# Altium PCB Mag256_9mm.PcbDoc (part 6 of 6)
Units mm, origin at the board's own origin, x right, y up, seen from the top; angles counter-clockwise.
Board outline 174.75 x 142 mm, 6 copper layers (L1 (SIG), L2 (GND), L3 (SIG), L4 (GND), L5 (PWR), L6 (SIG)), stack 1.597 mm thick; 756 components, 438 nets, 2517 pads, 2145 vias.
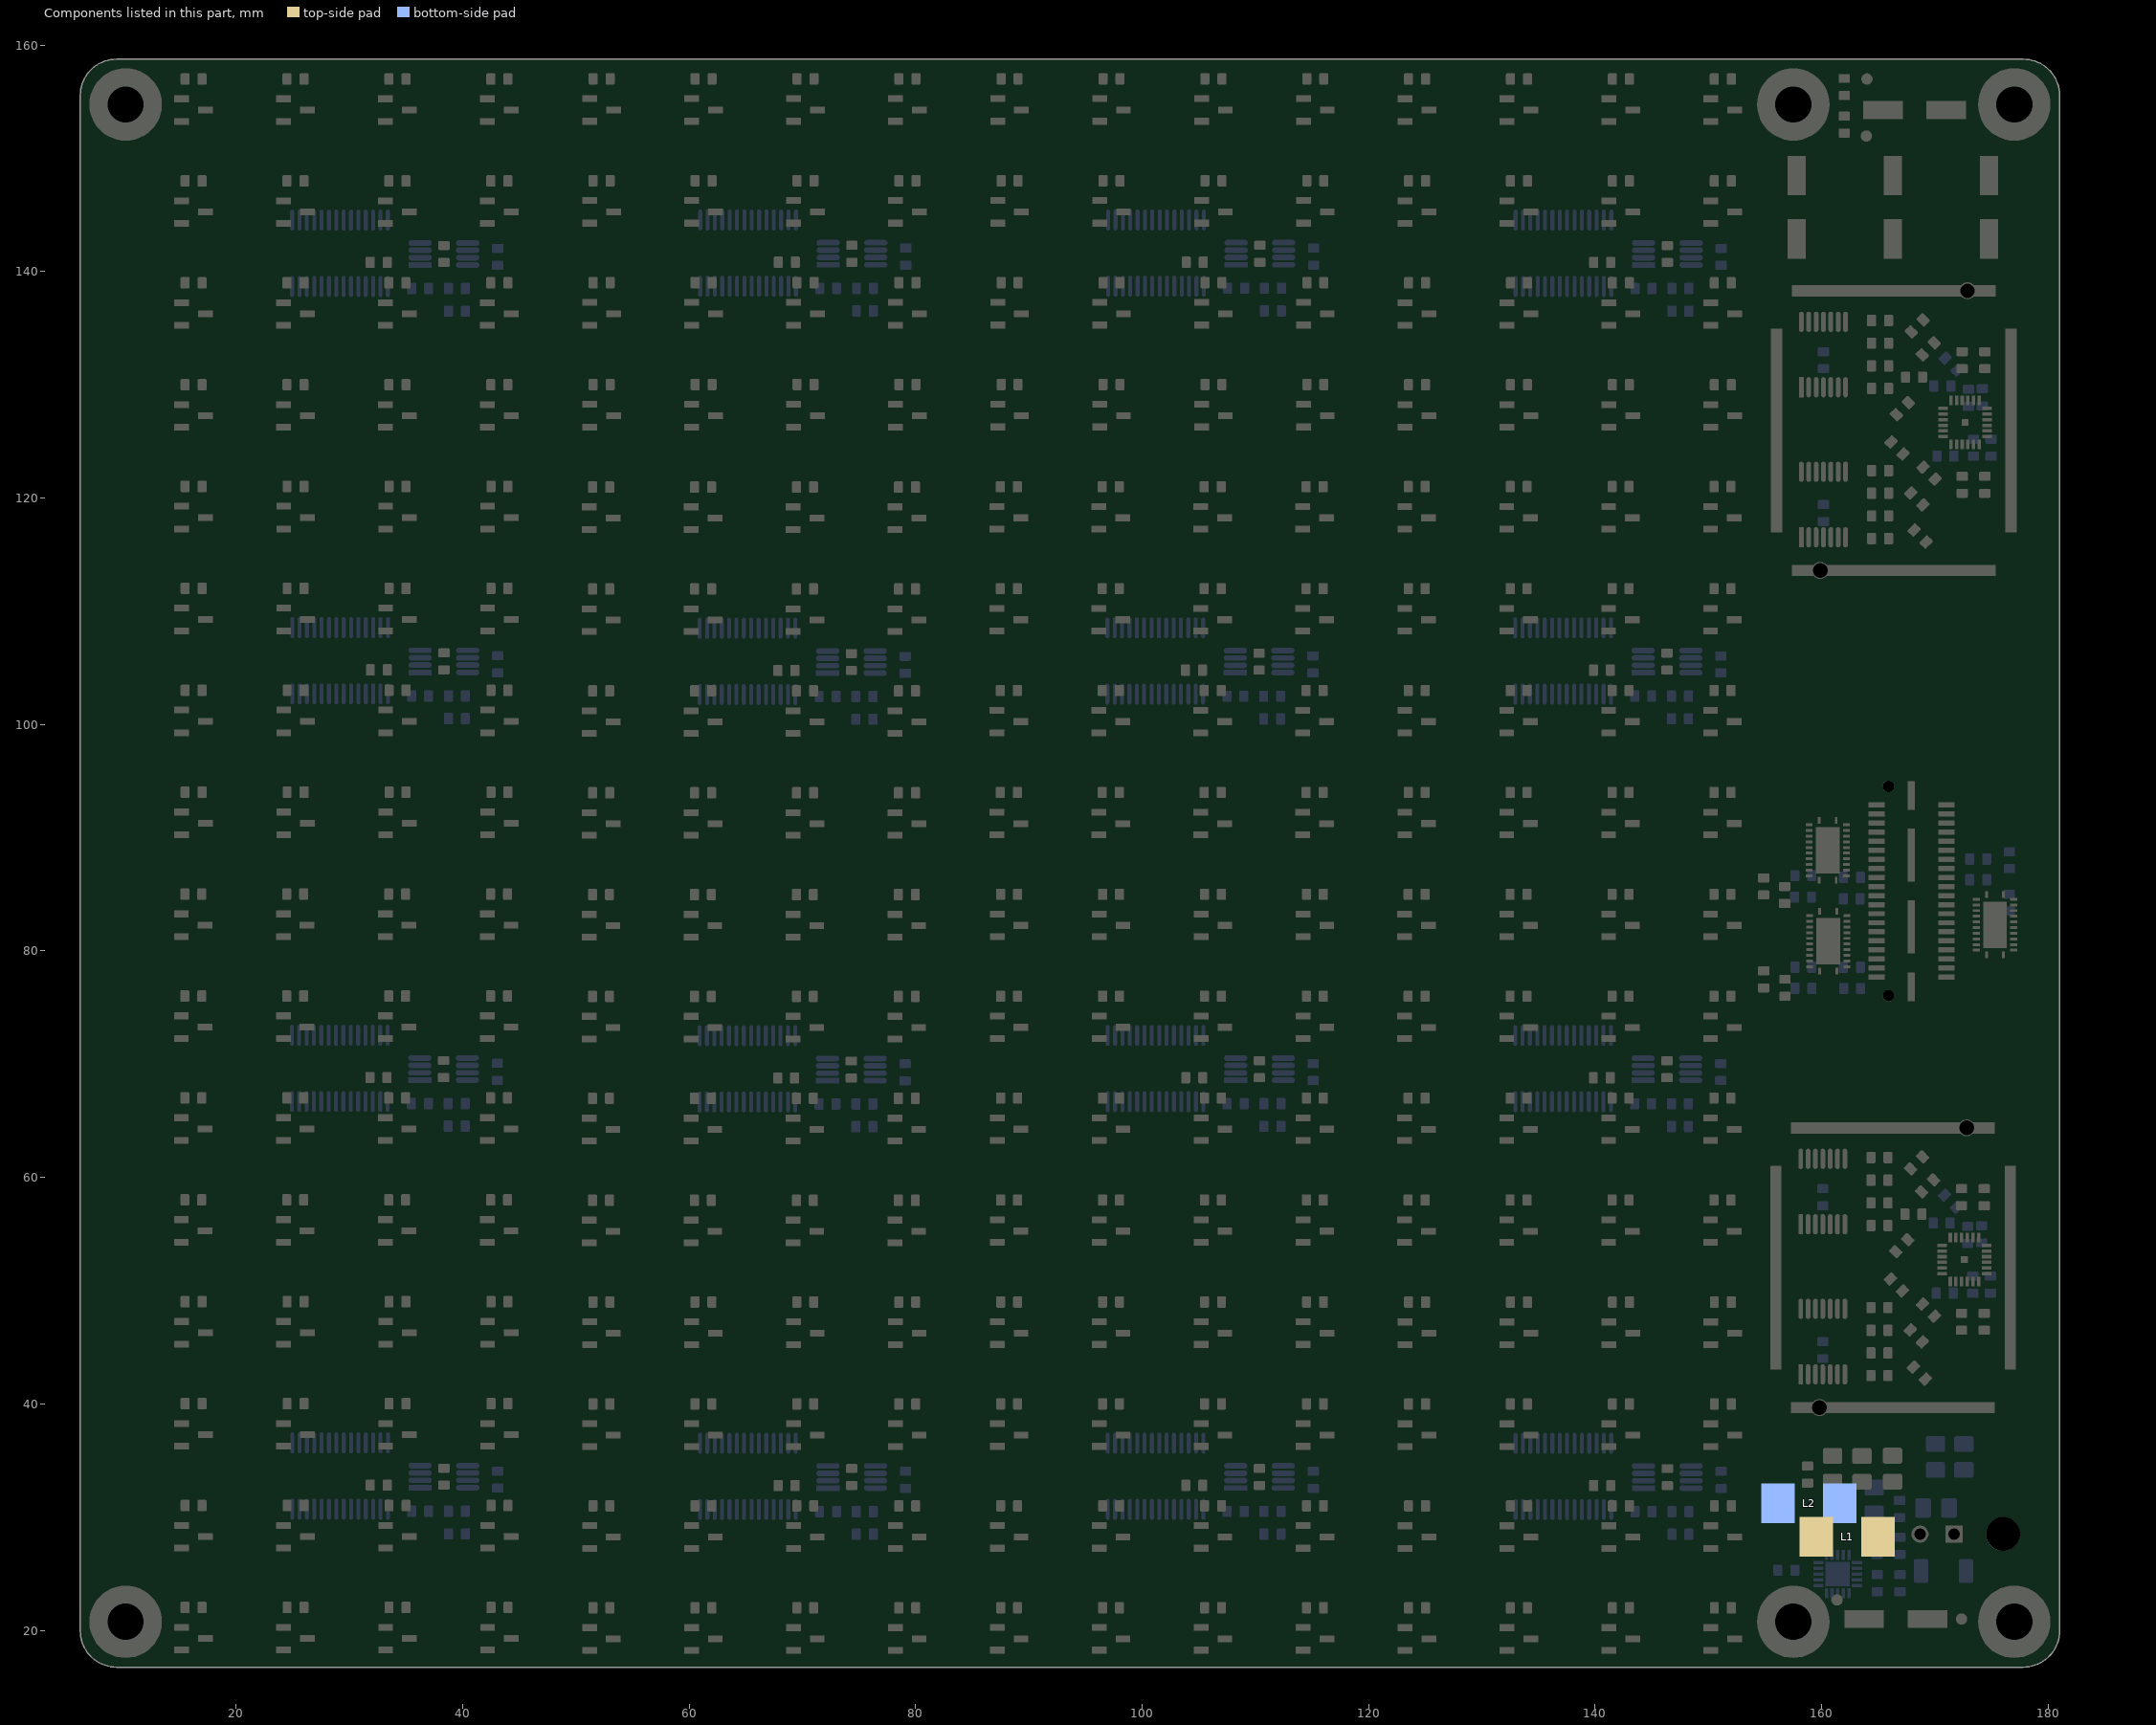
[diagram p10: the components of this part, seen from the top]

## Polygon pours and split planes (outlines as drawn) (continued)
+3V3 on L1 (SIG) "NONET_L-01_P-001" (solid, pour order 401): 142.023,154.75 142.023,157.657 140.388,157.657 140.388,154.75
+3V3 on L1 (SIG) "NONET_L-01_P-001" (solid, pour order 385): 133.023,154.75 133.023,157.657 131.388,157.657 131.388,154.75
+3V3 on L1 (SIG) "NONET_L-01_P-001" (solid, pour order 369): 124.023,154.75 124.023,157.657 122.388,157.657 122.388,154.75
+3V3 on L1 (SIG) "NONET_L-01_P-001" (solid, pour order 624): 104.413,140.02 104.798,140.404 104.798,141.52 106.048,141.52 106.048,140.02
+3V3 on L1 (SIG) "NONET_L-01_P-001" (solid, pour order 528): 106.048,136.77 106.048,140.02 104.413,140.02 104.413,136.77
+3V3 on L1 (SIG) "NONET_L-01_P-001" (solid, pour order 608): 115.048,127.77 115.048,130.677 113.413,130.677 113.413,127.77
+3V3 on L1 (SIG) "NONET_L-01_P-001" (solid, pour order 592): 106.048,127.77 106.048,130.677 104.413,130.677 104.413,127.77
+3V3 on L1 (SIG) "NONET_L-01_P-001" (solid, pour order 576): 97.048,127.77 97.048,130.677 95.413,130.677 95.413,127.77
+3V3 on L1 (SIG) "NONET_L-01_P-001" (solid, pour order 560): 88.048,127.77 88.048,130.677 86.413,130.677 86.413,127.77
+3V3 on L1 (SIG) "NONET_L-01_P-001" (solid, pour order 544): 115.048,136.77 115.048,139.677 113.413,139.677 113.413,136.77
+3V3 on L1 (SIG) "NONET_L-01_P-001" (solid, pour order 512): 97.048,136.77 97.048,139.677 95.413,139.677 95.413,136.77
+3V3 on L1 (SIG) "NONET_L-01_P-001" (solid, pour order 496): 88.048,136.77 88.048,139.677 86.413,139.677 86.413,136.77
+3V3 on L1 (SIG) "NONET_L-01_P-001" (solid, pour order 480): 88.048,145.77 88.048,148.677 86.413,148.677 86.413,145.77
+3V3 on L1 (SIG) "NONET_L-01_P-001" (solid, pour order 464): 97.048,145.77 97.048,148.677 95.413,148.677 95.413,145.77
+3V3 on L1 (SIG) "NONET_L-01_P-001" (solid, pour order 448): 106.048,145.77 106.048,148.677 104.413,148.677 104.413,145.77
+3V3 on L1 (SIG) "NONET_L-01_P-001" (solid, pour order 432): 115.048,145.77 115.048,148.677 113.413,148.677 113.413,145.77
+3V3 on L1 (SIG) "NONET_L-01_P-001" (solid, pour order 416): 115.048,154.77 115.048,157.677 113.413,157.677 113.413,154.77
+3V3 on L1 (SIG) "NONET_L-01_P-001" (solid, pour order 400): 106.048,154.77 106.048,157.677 104.413,157.677 104.413,154.77
+3V3 on L1 (SIG) "NONET_L-01_P-001" (solid, pour order 384): 97.048,154.77 97.048,157.677 95.413,157.677 95.413,154.77
+3V3 on L1 (SIG) "NONET_L-01_P-001" (solid, pour order 368): 88.048,154.77 88.048,157.677 86.413,157.677 86.413,154.77
+3V3 on L1 (SIG) "NONET_L-01_P-001" (solid, pour order 623): 68.394,140.018 68.779,140.402 68.779,141.518 70.029,141.518 70.029,140.018
+3V3 on L1 (SIG) "NONET_L-01_P-001" (solid, pour order 527): 70.029,136.768 70.029,140.018 68.394,140.018 68.394,136.768
+3V3 on L1 (SIG) "NONET_L-01_P-001" (solid, pour order 607): 79.029,127.768 79.029,130.675 77.394,130.675 77.394,127.768
+3V3 on L1 (SIG) "NONET_L-01_P-001" (solid, pour order 591): 70.029,127.768 70.029,130.675 68.394,130.675 68.394,127.768
+3V3 on L1 (SIG) "NONET_L-01_P-001" (solid, pour order 575): 61.029,127.768 61.029,130.675 59.394,130.675 59.394,127.768
+3V3 on L1 (SIG) "NONET_L-01_P-001" (solid, pour order 559): 52.029,127.768 52.029,130.675 50.394,130.675 50.394,127.768
+3V3 on L1 (SIG) "NONET_L-01_P-001" (solid, pour order 543): 79.029,136.768 79.029,139.675 77.394,139.675 77.394,136.768
+3V3 on L1 (SIG) "NONET_L-01_P-001" (solid, pour order 511): 61.029,136.768 61.029,139.675 59.394,139.675 59.394,136.768
+3V3 on L1 (SIG) "NONET_L-01_P-001" (solid, pour order 495): 52.029,136.768 52.029,139.675 50.394,139.675 50.394,136.768
+3V3 on L1 (SIG) "NONET_L-01_P-001" (solid, pour order 479): 52.029,145.768 52.029,148.675 50.394,148.675 50.394,145.768
+3V3 on L1 (SIG) "NONET_L-01_P-001" (solid, pour order 463): 61.029,145.768 61.029,148.675 59.394,148.675 59.394,145.768
+3V3 on L1 (SIG) "NONET_L-01_P-001" (solid, pour order 447): 70.029,145.768 70.029,148.675 68.394,148.675 68.394,145.768
+3V3 on L1 (SIG) "NONET_L-01_P-001" (solid, pour order 431): 79.029,145.768 79.029,148.675 77.394,148.675 77.394,145.768
+3V3 on L1 (SIG) "NONET_L-01_P-001" (solid, pour order 415): 79.029,154.768 79.029,157.675 77.394,157.675 77.394,154.768
+3V3 on L1 (SIG) "NONET_L-01_P-001" (solid, pour order 399): 70.029,154.768 70.029,157.675 68.394,157.675 68.394,154.768
+3V3 on L1 (SIG) "NONET_L-01_P-001" (solid, pour order 383): 61.029,154.768 61.029,157.675 59.394,157.675 59.394,154.768
+3V3 on L1 (SIG) "NONET_L-01_P-001" (solid, pour order 367): 52.029,154.768 52.029,157.675 50.394,157.675 50.394,154.768
+3V3 on L1 (SIG) "NONET_L-01_P-001" (solid, pour order 622): 32.366,140 32.75,140.384 32.75,141.5 34,141.5 34,140
+3V3 on L1 (SIG) "NONET_L-01_P-001" (solid, pour order 526): 34,136.75 34,140 32.366,140 32.366,136.75
+3V3 on L1 (SIG) "NONET_L-01_P-001" (solid, pour order 606): 43,127.75 43,130.657 41.366,130.657 41.366,127.75
+3V3 on L1 (SIG) "NONET_L-01_P-001" (solid, pour order 590): 34,127.75 34,130.657 32.366,130.657 32.366,127.75
+3V3 on L1 (SIG) "NONET_L-01_P-001" (solid, pour order 574): 25,127.75 25,130.657 23.366,130.657 23.366,127.75
+3V3 on L1 (SIG) "NONET_L-01_P-001" (solid, pour order 558): 16,127.75 16,130.657 14.366,130.657 14.366,127.75
+3V3 on L1 (SIG) "NONET_L-01_P-001" (solid, pour order 542): 43,136.75 43,139.657 41.366,139.657 41.366,136.75
+3V3 on L1 (SIG) "NONET_L-01_P-001" (solid, pour order 510): 25,136.75 25,139.657 23.366,139.657 23.366,136.75
+3V3 on L1 (SIG) "NONET_L-01_P-001" (solid, pour order 494): 16,136.75 16,139.657 14.366,139.657 14.366,136.75
+3V3 on L1 (SIG) "NONET_L-01_P-001" (solid, pour order 478): 16,145.75 16,148.657 14.366,148.657 14.366,145.75
+3V3 on L1 (SIG) "NONET_L-01_P-001" (solid, pour order 462): 25,145.75 25,148.657 23.366,148.657 23.366,145.75
+3V3 on L1 (SIG) "NONET_L-01_P-001" (solid, pour order 446): 34,145.75 34,148.657 32.366,148.657 32.366,145.75
+3V3 on L1 (SIG) "NONET_L-01_P-001" (solid, pour order 430): 43,145.75 43,148.657 41.366,148.657 41.366,145.75
+3V3 on L1 (SIG) "NONET_L-01_P-001" (solid, pour order 414): 43,154.75 43,157.657 41.366,157.657 41.366,154.75
+3V3 on L1 (SIG) "NONET_L-01_P-001" (solid, pour order 398): 34,154.75 34,157.657 32.366,157.657 32.366,154.75
+3V3 on L1 (SIG) "NONET_L-01_P-001" (solid, pour order 382): 25,154.75 25,157.657 23.366,157.657 23.366,154.75
+3V3 on L1 (SIG) "NONET_L-01_P-001" (solid, pour order 366): 16,154.75 16,157.657 14.366,157.657 14.366,154.75
GND on L1 (SIG) "NONET_L-01_P-001" (solid, pour order 352): 21 vertices, not listed, extent 171.231,124.294 174.081,129.044
GND on L1 (SIG) "NONET_L-01_P-001" (solid, pour order 351): 21 vertices, not listed, extent 171.175,50.375 174.025,55.125
GND on L6 (SIG) "NONET_L-01_P-001" (solid, remove dead copper, pour order 644): 2.25,161.25 185,161.25 185,15 2.25,15 2.25,29
GND on L6 (SIG) "NONET_L-01_P-001" (solid, pour order 358): 172.626,88.612 173.476,88.612 173.476,85.787 172.676,85.787
+3V3 on L6 (SIG) "NONET_L-01_P-001" (solid, pour order 359): 176.026,87.662 177.076,87.662 177.076,84.612 176.026,84.612
+3V3 on L6 (SIG) "NONET_L-01_P-001" (solid, pour order 364): 158.726,87.137 158.726,84.262 159.476,84.262 159.501,84.287 159.501,87.137
+3V3 on L6 (SIG) "NONET_L-01_P-001" (solid, pour order 365): 158.751,79.062 158.751,76.212 159.526,76.212 159.526,79.062
VCC on L6 (SIG) "NONET_L-01_P-001" (solid, pour order 641): 161,26.25 160.238,26.25 160.091,26.103 160.091,25.318 158.954,25.318 158,26.272 158,29 160.25,29 161,28.25 161,28
Vout on L6 (SIG) "NONET_L-01_P-001" (solid, pour order 640): 21 vertices, not listed, extent 160.25,25.813 167.25,33
+3V3 on L6 (SIG) "NONET_L-01_P-001" (solid, pour order 354): 171.056,129.419 171.681,129.419 172.206,129.944 172.206,131.019 171.781,131.444 171.631,131.444 171.056,130.869
+3V3 on L6 (SIG) "NONET_L-01_P-001" (solid, pour order 356): 172.906,124.094 172.906,123.294 175.781,123.294 175.756,123.319 175.756,124.119
+3V3 on L6 (SIG) "NONET_L-01_P-001" (solid, pour order 355): 172.85,50.175 172.85,49.375 175.725,49.375 175.7,49.4 175.7,50.2
+3V3 on L6 (SIG) "NONET_L-01_P-001" (solid, pour order 353): 171,55.5 171.625,55.5 172.15,56.025 172.15,57.1 171.725,57.525 171.575,57.525 171,56.95
GND on L3 (SIG) "NONET_L-01_P-001" (solid, remove dead copper, pour order 643): 3.5,161.5 183.5,161.5 183.5,14 3.5,14
+3V3 on L5 (PWR) (split plane): 93 vertices, not listed, extent 6.754,17.259 180.491,158.241
GND on L4 (GND) (split plane): 93 vertices, not listed, extent 6.754,17.259 180.491,158.241
GND on L2 (GND) (split plane): 93 vertices, not listed, extent 6.754,17.259 180.491,158.241

## Silkscreen, mask and mechanical layers (free items; w line width, h text height)
Top Overlay:
  drawing of 10 lines, arcs and shapes, not listed
  text "@samsh - 2024/10 - UNSW - Hi-Field x256 Hall Array Sensor" at 9.487,149.746 h2.2 r270
  text "GND" at 169.504,30.004 h1.52
  text "5V" at 167.265,25.773 h1.52